# KiCad board AOML_AB_3.0_reorganized-v2.kicad_pcb (continued)
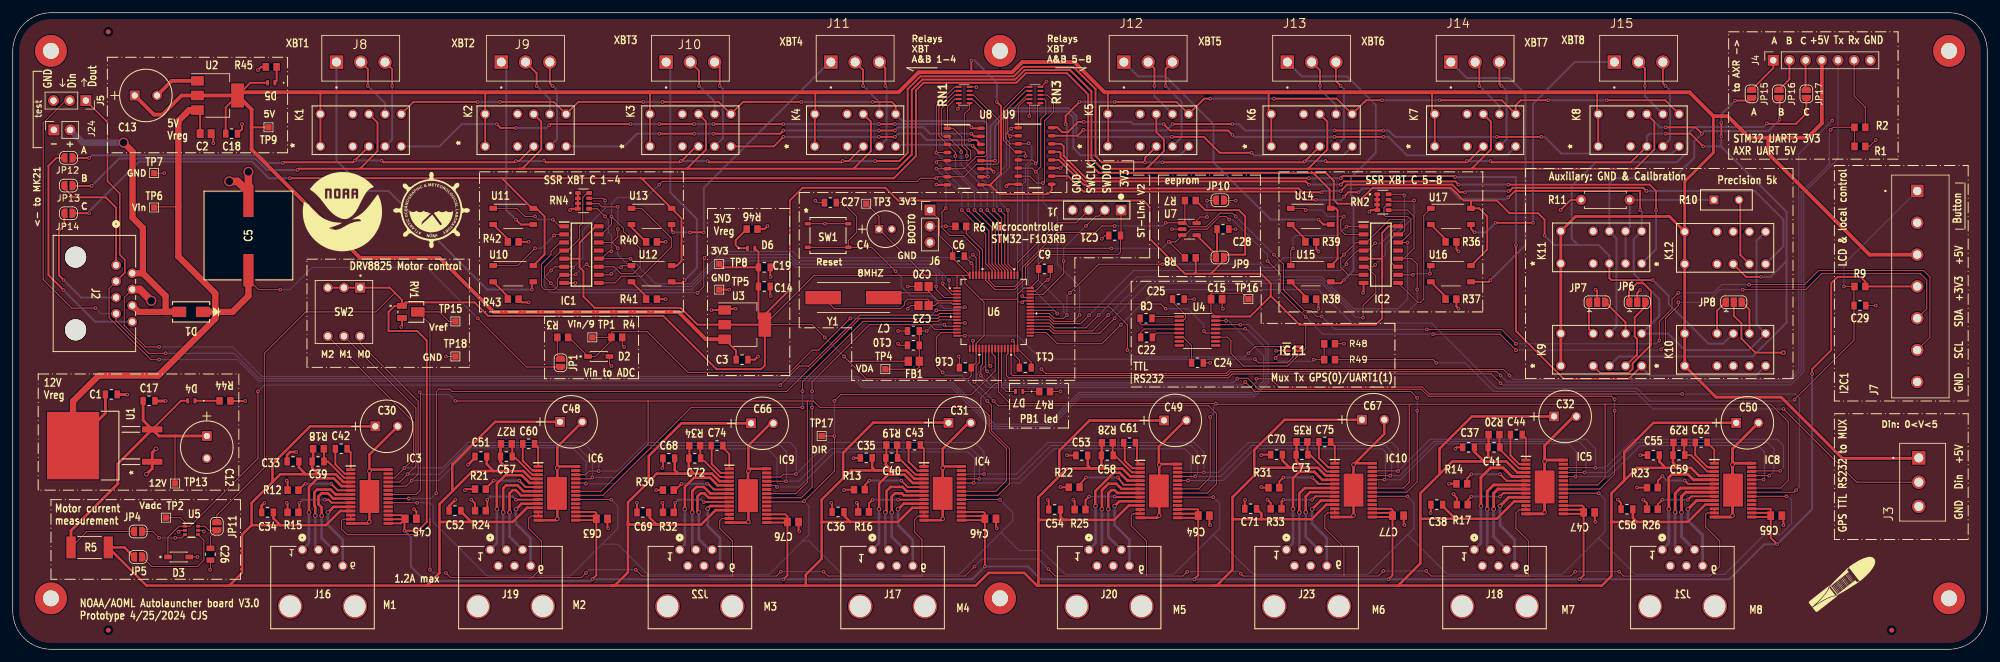
[diagram p0: board, top side]
## Text on the board (continued)
F.Silkscreen: test | A | B | C | GND | Vin | Vadc | 12V | 5V | M2 M1 M0 | Vref | Vin/9 | 3V3 | DIR | Reset | VDA | 8MHZ | Relays / XBT / A&B 1-4 | Relays / XBT / A&B 5-8 | Din: 0<V<5 | <- to MK21 | BOOT0 | ST-Link V2 | to AXR -> | 12V / Vreg | Motor current / measurement | 5V / Vreg | XBT1 | DRV8825 Motor control | XBT2 | SSR XBT C 1-4 | Vin to ADC | XBT3 | 3V3 / Vreg | XBT4 | Microcontroller / STM32-F103RB | PB1 led | TTL / RS232 | eeprom | XBT5 | XBT6 | SSR XBT C 5-8 | XBT7 | Auxiliary: GND & Calibration | XBT8 | STM32 UART3 3V3 / AXR UART 5V | NOAA/AOML Autolauncher board V3.0 / Prototype 4/25/2024 CJS | M1 | 1.2A max | M2 | M3 | M4 | M5 | Mux Tx GPS(0)/UART1(1) | M6 | M7 | Precision 5k | M8 | +5V | Tx | Rx | LCD & local control | GPS TTL RS232 to MUX | I2C1 | + | Din | Dout | SWCLK | SWDIO | Button | +3V3 | SDA | SCL | -
